# KiCad board Ethernet controller W5500 board_panel.kicad_pcb (continued)
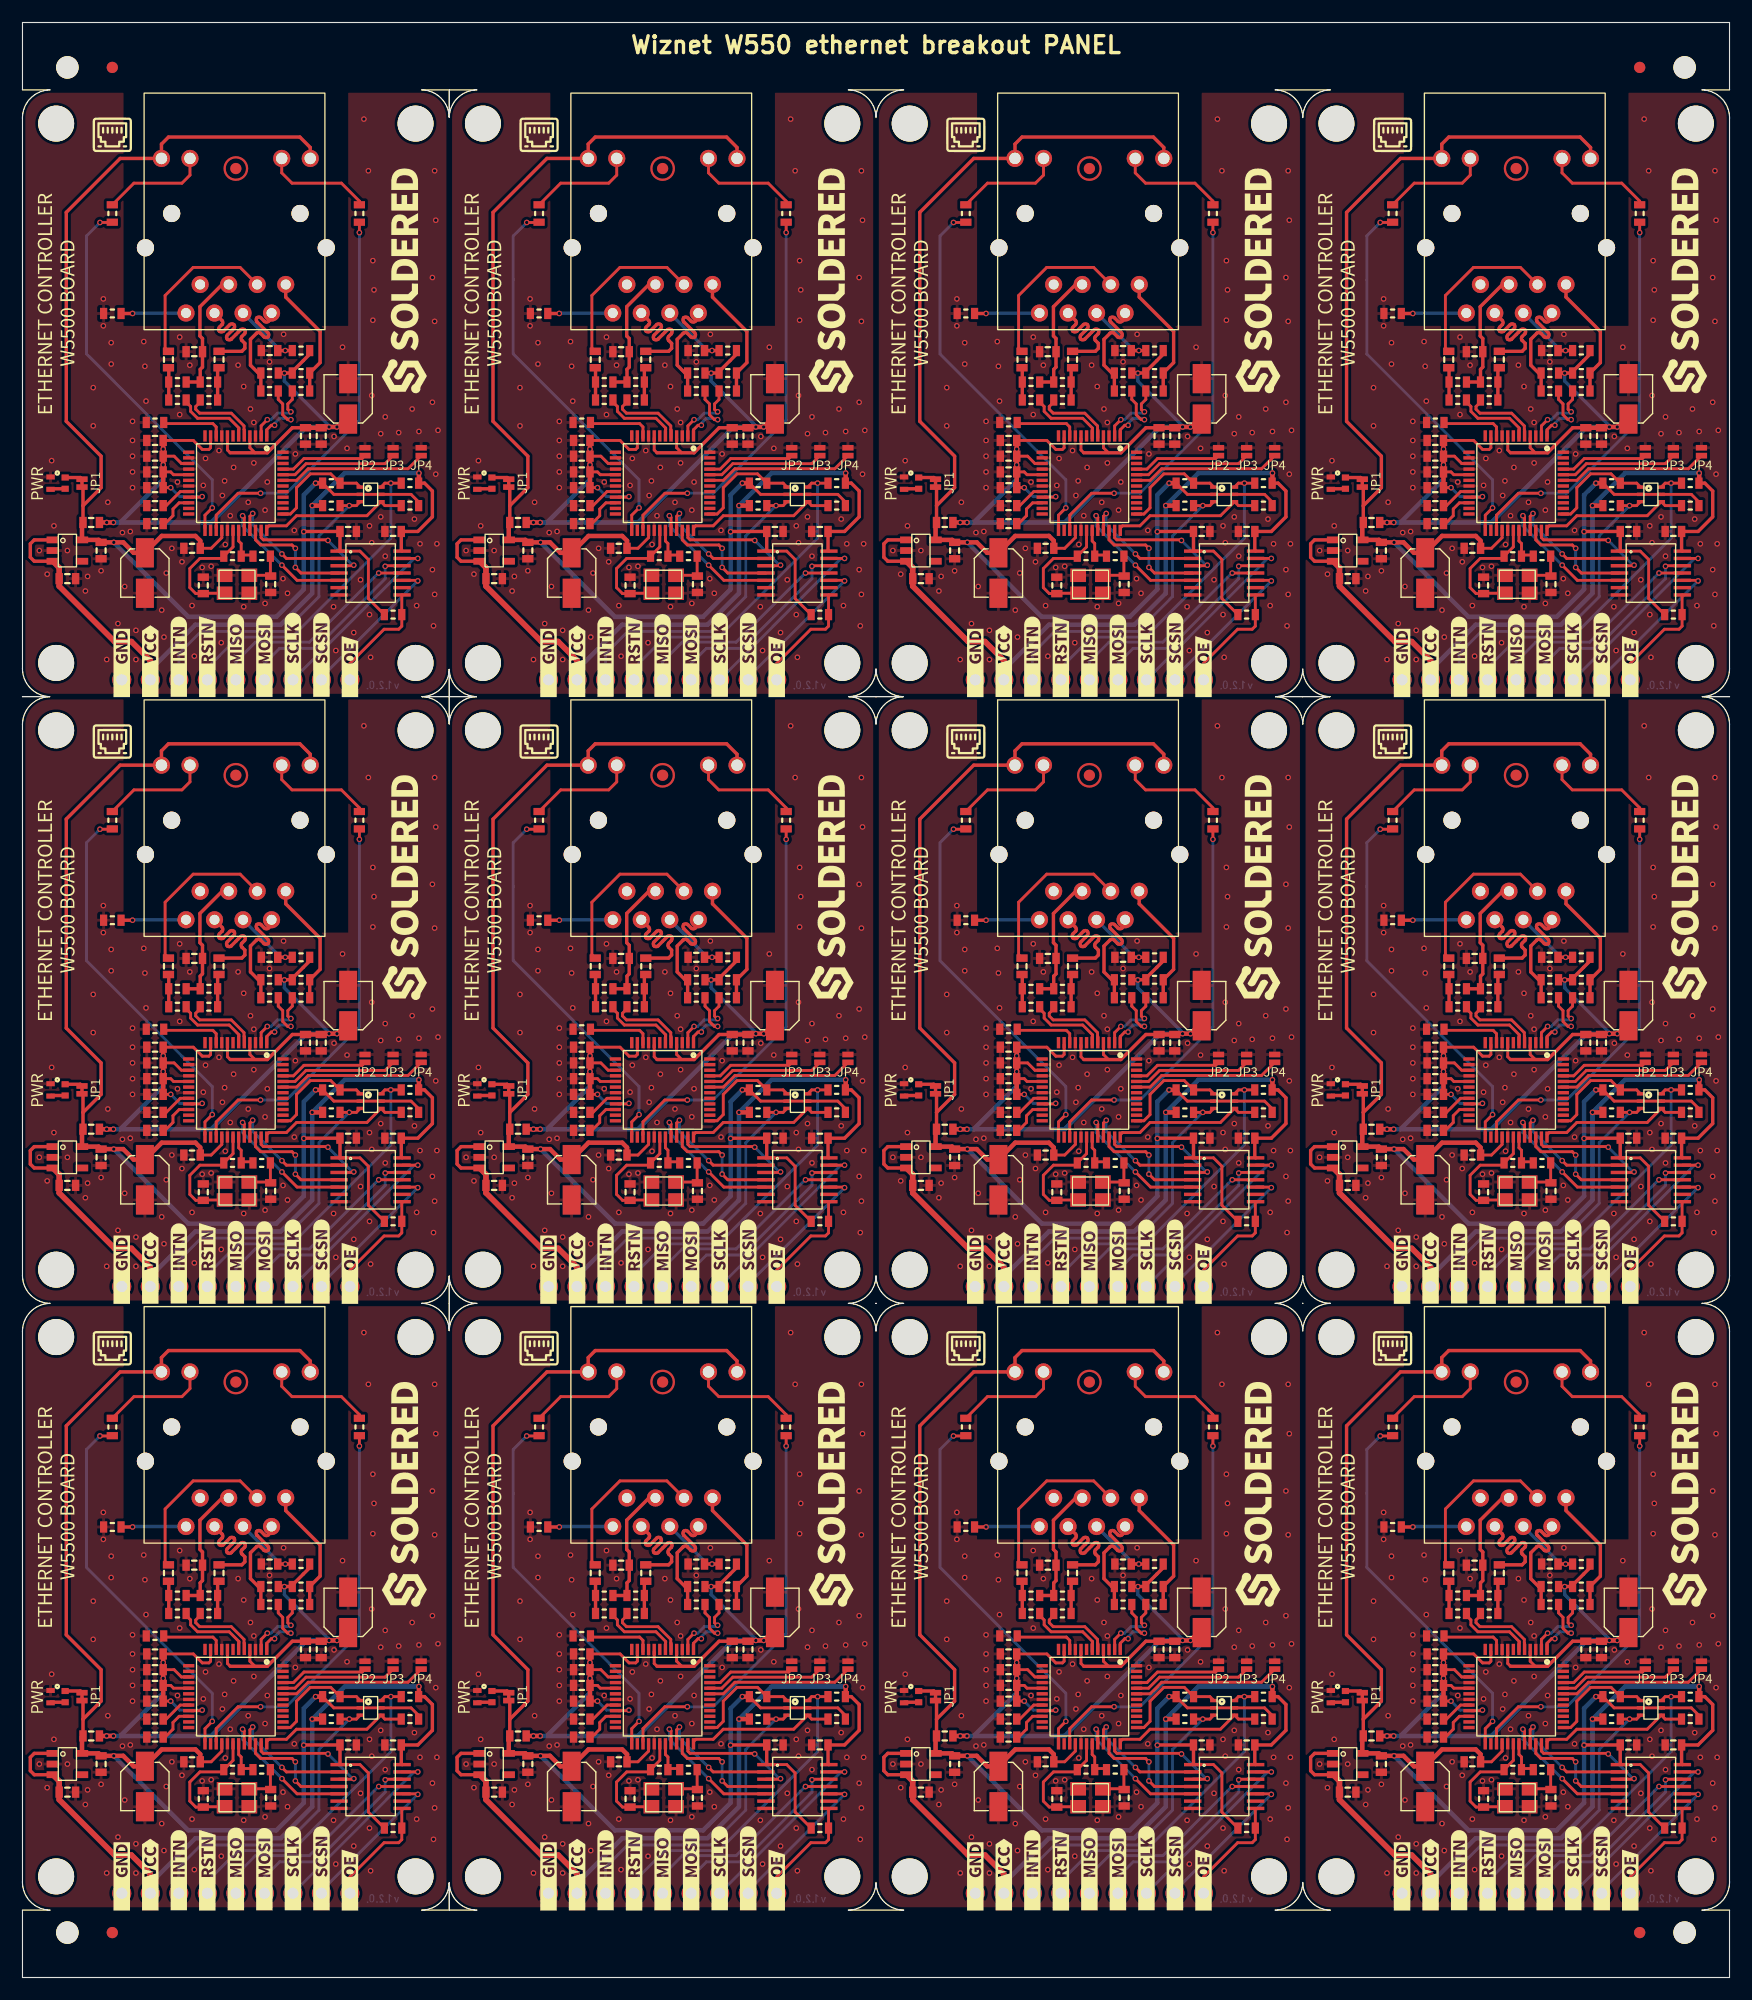
[diagram p0: board, top side]
## Nets
Board_0-3V3: C14#6.2 C15#4.1 C19#11.2 C20#5.2 FB1#3.1 JP1#6.1 K1#5.9 K1#5.12 R17#9.1 R21#12.2 R28.1 U1#11.28 U2.5 U3#7.1 U5#3.2 U5#3.5
Board_0-3V3_A: C1#3.1 C2#11.2 C3#5.2 C4#8.2 C5#12.2 C6#5.2 C8#3.2 FB1#3.2 R6.2 R8#12.2 R10#9.2 U1#11.4 U1#11.8 U1#11.11 U1#11.15 U1#11.17 U1#11.21
Board_0-/RXN: C9#6.1 K1#5.6
Board_0-/RXP: C10#12.1 K1#5.3
Board_0-/TXN: K1#5.2 R1#3.2 R6.1
Board_0-/TXP: K1#5.1 R2#10.2 R8#12.1
Board_0-ACTLED: R12.2 U1#11.27
Board_0-CGND: K1#5.8 R16.2
Board_0-GND: C1#3.2 C2#11.1 C3#5.1 C4#8.1 C5#12.1 C6#5.1 C7#2.1 C8#3.1 C11#4.1 C12#6.1 C13.1 C14#6.1 C15#4.2 C16#2.1 C17#9.1 C18#2.1 C19#11.1 C20#5.1 C21#7.2 D1#9.2 JP2#5.1 JP3#4.1 JP4#8.1 K2#2.1 R5#4.1 R16.1 U1#11.3 U1#11.9 U1#11.14 U1#11.16 U1#11.19 U1#11.29 U1#11.48 U2.2 U3#7.7 X1#8.2 X1#8.4
Board_0-INTn_H: K2#2.3 R22#6.2 U5#3.3
Board_0-INTn_L: R28.2 U1#11.36 U5#3.4
Board_0-LINKLED: R11.2 U1#11.25
Board_0-MISO_H: K2#2.5 U3#7.11
Board_0-MISO_L: U1#11.34 U3#7.4
Board_0-MOSI_H: K2#2.6 U3#7.12
Board_0-MOSI_L: U1#11.35 U3#7.3
Board_0-Net-(C7-Pad2): C7#2.2 K1#5.5 R7#2.1 R9#5.1
Board_0-Net-(C9-Pad2): C9#6.2 R3.2 R9#5.2
Board_0-Net-(C10-Pad2): C10#12.2 R4#3.2 R7#2.2
Board_0-Net-(C11-Pad2): C11#4.2 K1#5.4 R10#9.1
Board_0-Net-(C12-Pad2): C12#6.2 U1#11.20
Board_0-Net-(C13-Pad2): C13.2 U1#11.22
Board_0-Net-(C16-Pad2): C16#2.2 R14#3.1 U1#11.30 X1#8.1
Board_0-Net-(C17-Pad2): C17#9.2 R15#9.1 X1#8.3
Board_0-Net-(D1-Pad1): D1#9.1 R13#11.2
Board_0-Net-(JP1-Pad2): JP1#6.2 R13#11.1
Board_0-Net-(K1-Pad10): K1#5.10 R12.1
Board_0-Net-(K1-Pad11): K1#5.11 R11.1
Board_0-Net-(R5-Pad2): R5#4.2 U1#11.10
Board_0-Net-(R14-Pad2): R14#3.2 R15#9.2 U1#11.31
Board_0-OE: K2#2.9 R17#9.2 U3#7.8
Board_0-PMODE0: JP2#5.2 U1#11.45
Board_0-PMODE1: JP3#4.2 U1#11.44
Board_0-PMODE2: JP4#8.2 U1#11.43
Board_0-RSTn_H: K2#2.4 R27#9.1 U5#3.6
Board_0-RSTn_L: R21#12.1 U1#11.37 U5#3.1
Board_0-RX+: R4#3.1 U1#11.6
Board_0-RX-: R3.1 U1#11.5
Board_0-SCLK_H: K2#2.7 U3#7.13
Board_0-SCLK_L: U1#11.33 U3#7.2
Board_0-SCSn_H: K2#2.8 U3#7.10
Board_0-SCSn_L: U1#11.32 U3#7.5
Board_0-TX+: R2#10.1 U1#11.2
Board_0-TX-: R1#3.1 U1#11.1
Board_0-unconnected-(K1-Pad7): K1#5.7
Board_0-unconnected-(U1-Pad7): U1#11.7
Board_0-unconnected-(U1-Pad12): U1#11.12
Board_0-unconnected-(U1-Pad13): U1#11.13
Board_0-unconnected-(U1-Pad18): U1#11.18
Board_0-unconnected-(U1-Pad23): U1#11.23
Board_0-unconnected-(U1-Pad24): U1#11.24
Board_0-unconnected-(U1-Pad26): U1#11.26
Board_0-unconnected-(U1-Pad38): U1#11.38
Board_0-unconnected-(U1-Pad39): U1#11.39
Board_0-unconnected-(U1-Pad40): U1#11.40
Board_0-unconnected-(U1-Pad41): U1#11.41
Board_0-unconnected-(U1-Pad42): U1#11.42
Board_0-unconnected-(U1-Pad46): U1#11.46
Board_0-unconnected-(U1-Pad47): U1#11.47
Board_0-unconnected-(U2-Pad4): U2.4
Board_0-unconnected-(U3-Pad6): U3#7.6
Board_0-unconnected-(U3-Pad9): U3#7.9
Board_0-VCC: C18#2.2 C21#7.1 K2#2.2 R22#6.1 R27#9.2 U2.1 U2.3 U3#7.14
Board_1-3V3: C14#11.2 C15#11.1 C19#3.2 C20#11.2 FB1#8.1 JP1#7.1 K1#7.9 K1#7.12 R17.1 R21#2.2 R28#3.1 U1#5.28 U2#6.5 U3#8.1 U5#12.2 U5#12.5
Board_1-3V3_A: C1#9.1 C2#8.2 C3#4.2 C4#11.2 C5#4.2 C6.2 C8#9.2 FB1#8.2 R6#11.2 R8#4.2 R10#2.2 U1#5.4 U1#5.8 U1#5.11 U1#5.15 U1#5.17 U1#5.21
Board_1-/RXN: C9#11.1 K1#7.6
Board_1-/RXP: C10.1 K1#7.3
Board_1-/TXN: K1#7.2 R1#7.2 R6#11.1
Board_1-/TXP: K1#7.1 R2#9.2 R8#4.1
Board_1-ACTLED: R12#10.2 U1#5.27
Board_1-CGND: K1#7.8 R16#9.2
Board_1-GND: C1#9.2 C2#8.1 C3#4.1 C4#11.1 C5#4.1 C6.1 C7#11.1 C8#9.1 C11#6.1 C12#2.1 C13#9.1 C14#11.1 C15#11.2 C16#12.1 C17#2.1 C18#8.1 C19#3.1 C20#11.1 C21.2 D1#7.2 JP2#3.1 JP3#12.1 JP4#2.1 K2#10.1 R5#10.1 R16#9.1 U1#5.3 U1#5.9 U1#5.14 U1#5.16 U1#5.19 U1#5.29 U1#5.48 U2#6.2 U3#8.7 X1#4.2 X1#4.4
Board_1-INTn_H: K2#10.3 R22.2 U5#12.3
Board_1-INTn_L: R28#3.2 U1#5.36 U5#12.4
Board_1-LINKLED: R11#2.2 U1#5.25
Board_1-MISO_H: K2#10.5 U3#8.11
Board_1-MISO_L: U1#5.34 U3#8.4
Board_1-MOSI_H: K2#10.6 U3#8.12
Board_1-MOSI_L: U1#5.35 U3#8.3
Board_1-Net-(C7-Pad2): C7#11.2 K1#7.5 R7#10.1 R9#3.1
Board_1-Net-(C9-Pad2): C9#11.2 R3#11.2 R9#3.2
Board_1-Net-(C10-Pad2): C10.2 R4.2 R7#10.2
Board_1-Net-(C11-Pad2): C11#6.2 K1#7.4 R10#2.1
Board_1-Net-(C12-Pad2): C12#2.2 U1#5.20
Board_1-Net-(C13-Pad2): C13#9.2 U1#5.22
Board_1-Net-(C16-Pad2): C16#12.2 R14#12.1 U1#5.30 X1#4.1
Board_1-Net-(C17-Pad2): C17#2.2 R15#6.1 X1#4.3
Board_1-Net-(D1-Pad1): D1#7.1 R13#2.2
Board_1-Net-(JP1-Pad2): JP1#7.2 R13#2.1
Board_1-Net-(K1-Pad10): K1#7.10 R12#10.1
Board_1-Net-(K1-Pad11): K1#7.11 R11#2.1
Board_1-Net-(R5-Pad2): R5#10.2 U1#5.10
Board_1-Net-(R14-Pad2): R14#12.2 R15#6.2 U1#5.31
Board_1-OE: K2#10.9 R17.2 U3#8.8
Board_1-PMODE0: JP2#3.2 U1#5.45
Board_1-PMODE1: JP3#12.2 U1#5.44
Board_1-PMODE2: JP4#2.2 U1#5.43
Board_1-RSTn_H: K2#10.4 R27#5.1 U5#12.6
Board_1-RSTn_L: R21#2.1 U1#5.37 U5#12.1
Board_1-RX+: R4.1 U1#5.6
Board_1-RX-: R3#11.1 U1#5.5
Board_1-SCLK_H: K2#10.7 U3#8.13
Board_1-SCLK_L: U1#5.33 U3#8.2
Board_1-SCSn_H: K2#10.8 U3#8.10
Board_1-SCSn_L: U1#5.32 U3#8.5
Board_1-TX+: R2#9.1 U1#5.2
Board_1-TX-: R1#7.1 U1#5.1
Board_1-unconnected-(K1-Pad7): K1#7.7
Board_1-unconnected-(U1-Pad7): U1#5.7
Board_1-unconnected-(U1-Pad12): U1#5.12
Board_1-unconnected-(U1-Pad13): U1#5.13
Board_1-unconnected-(U1-Pad18): U1#5.18
Board_1-unconnected-(U1-Pad23): U1#5.23
Board_1-unconnected-(U1-Pad24): U1#5.24
Board_1-unconnected-(U1-Pad26): U1#5.26
Board_1-unconnected-(U1-Pad38): U1#5.38
Board_1-unconnected-(U1-Pad39): U1#5.39
Board_1-unconnected-(U1-Pad40): U1#5.40
Board_1-unconnected-(U1-Pad41): U1#5.41
Board_1-unconnected-(U1-Pad42): U1#5.42
Board_1-unconnected-(U1-Pad46): U1#5.46
Board_1-unconnected-(U1-Pad47): U1#5.47
Board_1-unconnected-(U2-Pad4): U2#6.4
Board_1-unconnected-(U3-Pad6): U3#8.6
Board_1-unconnected-(U3-Pad9): U3#8.9
Board_1-VCC: C18#8.2 C21.1 K2#10.2 R22.1 R27#5.2 U2#6.1 U2#6.3 U3#8.14
Board_2-3V3: C14#8.2 C15#5.1 C19.2 C20#9.2 FB1#10.1 JP1.1 K1#11.9 K1#11.12 R17#6.1 R21#3.2 R28#7.1 U1#3.28 U2#10.5 U3#11.1 U5#9.2 U5#9.5
Board_2-3V3_A: C1#11.1 C2#2.2 C3#11.2 C4#10.2 C5#11.2 C6#11.2 C8.2 FB1#10.2 R6#8.2 R8#3.2 R10#6.2 U1#3.4 U1#3.8 U1#3.11 U1#3.15 U1#3.17 U1#3.21
Board_2-/RXN: C9#12.1 K1#11.6
Board_2-/RXP: C10#11.1 K1#11.3
Board_2-/TXN: K1#11.2 R1#6.2 R6#8.1
Board_2-/TXP: K1#11.1 R2.2 R8#3.1
Board_2-ACTLED: R12#12.2 U1#3.27
Board_2-CGND: K1#11.8 R16#4.2
Board_2-GND: C1#11.2 C2#2.1 C3#11.1 C4#10.1 C5#11.1 C6#11.1 C7#3.1 C8.1 C11#9.1 C12#10.1 C13#2.1 C14#8.1 C15#5.2 C16#6.1 C17.1 C18#4.1 C19.1 C20#9.1 C21#5.2 D1#3.2 JP2.1 JP3#7.1 JP4.1 K2#9.1 R5#9.1 R16#4.1 U1#3.3 U1#3.9 U1#3.14 U1#3.16 U1#3.19 U1#3.29 U1#3.48 U2#10.2 U3#11.7 X1#6.2 X1#6.4
Board_2-INTn_H: K2#9.3 R22#8.2 U5#9.3
Board_2-INTn_L: R28#7.2 U1#3.36 U5#9.4
Board_2-LINKLED: R11#7.2 U1#3.25
Board_2-MISO_H: K2#9.5 U3#11.11
Board_2-MISO_L: U1#3.34 U3#11.4
Board_2-MOSI_H: K2#9.6 U3#11.12
Board_2-MOSI_L: U1#3.35 U3#11.3
Board_2-Net-(C7-Pad2): C7#3.2 K1#11.5 R7#8.1 R9#12.1
Board_2-Net-(C9-Pad2): C9#12.2 R3#12.2 R9#12.2
Board_2-Net-(C10-Pad2): C10#11.2 R4#4.2 R7#8.2
Board_2-Net-(C11-Pad2): C11#9.2 K1#11.4 R10#6.1
Board_2-Net-(C12-Pad2): C12#10.2 U1#3.20
Board_2-Net-(C13-Pad2): C13#2.2 U1#3.22
Board_2-Net-(C16-Pad2): C16#6.2 R14.1 U1#3.30 X1#6.1
Board_2-Net-(C17-Pad2): C17.2 R15#8.1 X1#6.3
Board_2-Net-(D1-Pad1): D1#3.1 R13#4.2
Board_2-Net-(JP1-Pad2): JP1.2 R13#4.1
Board_2-Net-(K1-Pad10): K1#11.10 R12#12.1
Board_2-Net-(K1-Pad11): K1#11.11 R11#7.1
Board_2-Net-(R5-Pad2): R5#9.2 U1#3.10
Board_2-Net-(R14-Pad2): R14.2 R15#8.2 U1#3.31
Board_2-OE: K2#9.9 R17#6.2 U3#11.8
Board_2-PMODE0: JP2.2 U1#3.45
Board_2-PMODE1: JP3#7.2 U1#3.44
Board_2-PMODE2: JP4.2 U1#3.43
Board_2-RSTn_H: K2#9.4 R27#7.1 U5#9.6
Board_2-RSTn_L: R21#3.1 U1#3.37 U5#9.1
Board_2-RX+: R4#4.1 U1#3.6
Board_2-RX-: R3#12.1 U1#3.5
Board_2-SCLK_H: K2#9.7 U3#11.13
Board_2-SCLK_L: U1#3.33 U3#11.2
Board_2-SCSn_H: K2#9.8 U3#11.10
Board_2-SCSn_L: U1#3.32 U3#11.5
Board_2-TX+: R2.1 U1#3.2
Board_2-TX-: R1#6.1 U1#3.1
Board_2-unconnected-(K1-Pad7): K1#11.7
Board_2-unconnected-(U1-Pad7): U1#3.7
Board_2-unconnected-(U1-Pad12): U1#3.12
Board_2-unconnected-(U1-Pad13): U1#3.13
Board_2-unconnected-(U1-Pad18): U1#3.18
Board_2-unconnected-(U1-Pad23): U1#3.23
Board_2-unconnected-(U1-Pad24): U1#3.24
Board_2-unconnected-(U1-Pad26): U1#3.26
Board_2-unconnected-(U1-Pad38): U1#3.38
Board_2-unconnected-(U1-Pad39): U1#3.39
Board_2-unconnected-(U1-Pad40): U1#3.40
Board_2-unconnected-(U1-Pad41): U1#3.41
Board_2-unconnected-(U1-Pad42): U1#3.42
Board_2-unconnected-(U1-Pad46): U1#3.46
Board_2-unconnected-(U1-Pad47): U1#3.47
Board_2-unconnected-(U2-Pad4): U2#10.4
Board_2-unconnected-(U3-Pad6): U3#11.6
Board_2-unconnected-(U3-Pad9): U3#11.9
Board_2-VCC: C18#4.2 C21#5.1 K2#9.2 R22#8.1 R27#7.2 U2#10.1 U2#10.3 U3#11.14
Board_3-3V3: C14#10.2 C15#2.1 C19#4.2 C20#7.2 FB1#12.1 JP1#3.1 K1#10.9 K1#10.12 R17#4.1 R21#9.2 R28#6.1 U1#12.28 U2#5.5 U3#5.1 U5#7.2 U5#7.5
Board_3-3V3_A: C1#8.1 C2#10.2 C3#12.2 C4#12.2 C5#7.2 C6#6.2 C8#11.2 FB1#12.2 R6#3.2 R8#6.2 R10.2 U1#12.4 U1#12.8 U1#12.11 U1#12.15 U1#12.17 U1#12.21
Board_3-/RXN: C9.1 K1#10.6
Board_3-/RXP: C10#3.1 K1#10.3
Board_3-/TXN: K1#10.2 R1#2.2 R6#3.1
Board_3-/TXP: K1#10.1 R2#4.2 R8#6.1
Board_3-ACTLED: R12#7.2 U1#12.27
Board_3-CGND: K1#10.8 R16#3.2
Board_3-GND: C1#8.2 C2#10.1 C3#12.1 C4#12.1 C5#7.1 C6#6.1 C7#7.1 C8#11.1 C11#12.1 C12#5.1 C13#10.1 C14#10.1 C15#2.2 C16#7.1 C17#8.1 C18#7.1 C19#4.1 C20#7.1 C21#9.2 D1#11.2 JP2#8.1 JP3#9.1 JP4#10.1 K2#4.1 R5#8.1 R16#3.1 U1#12.3 U1#12.9 U1#12.14 U1#12.16 U1#12.19 U1#12.29 U1#12.48 U2#5.2 U3#5.7 X1#7.2 X1#7.4
Board_3-INTn_H: K2#4.3 R22#10.2 U5#7.3
Board_3-INTn_L: R28#6.2 U1#12.36 U5#7.4
Board_3-LINKLED: R11#6.2 U1#12.25
Board_3-MISO_H: K2#4.5 U3#5.11
Board_3-MISO_L: U1#12.34 U3#5.4
Board_3-MOSI_H: K2#4.6 U3#5.12
Board_3-MOSI_L: U1#12.35 U3#5.3
Board_3-Net-(C7-Pad2): C7#7.2 K1#10.5 R7#11.1 R9#8.1
Board_3-Net-(C9-Pad2): C9.2 R3#9.2 R9#8.2
Board_3-Net-(C10-Pad2): C10#3.2 R4#9.2 R7#11.2
Board_3-Net-(C11-Pad2): C11#12.2 K1#10.4 R10.1
Board_3-Net-(C12-Pad2): C12#5.2 U1#12.20
Board_3-Net-(C13-Pad2): C13#10.2 U1#12.22
Board_3-Net-(C16-Pad2): C16#7.2 R14#8.1 U1#12.30 X1#7.1
Board_3-Net-(C17-Pad2): C17#8.2 R15#3.1 X1#7.3
Board_3-Net-(D1-Pad1): D1#11.1 R13#6.2
Board_3-Net-(JP1-Pad2): JP1#3.2 R13#6.1
Board_3-Net-(K1-Pad10): K1#10.10 R12#7.1
Board_3-Net-(K1-Pad11): K1#10.11 R11#6.1
Board_3-Net-(R5-Pad2): R5#8.2 U1#12.10
Board_3-Net-(R14-Pad2): R14#8.2 R15#3.2 U1#12.31
Board_3-OE: K2#4.9 R17#4.2 U3#5.8
Board_3-PMODE0: JP2#8.2 U1#12.45
Board_3-PMODE1: JP3#9.2 U1#12.44
Board_3-PMODE2: JP4#10.2 U1#12.43
Board_3-RSTn_H: K2#4.4 R27#10.1 U5#7.6
Board_3-RSTn_L: R21#9.1 U1#12.37 U5#7.1
Board_3-RX+: R4#9.1 U1#12.6
Board_3-RX-: R3#9.1 U1#12.5
Board_3-SCLK_H: K2#4.7 U3#5.13
Board_3-SCLK_L: U1#12.33 U3#5.2
Board_3-SCSn_H: K2#4.8 U3#5.10
Board_3-SCSn_L: U1#12.32 U3#5.5
Board_3-TX+: R2#4.1 U1#12.2
Board_3-TX-: R1#2.1 U1#12.1
Board_3-unconnected-(K1-Pad7): K1#10.7
Board_3-unconnected-(U1-Pad7): U1#12.7
Board_3-unconnected-(U1-Pad12): U1#12.12
Board_3-unconnected-(U1-Pad13): U1#12.13
Board_3-unconnected-(U1-Pad18): U1#12.18
Board_3-unconnected-(U1-Pad23): U1#12.23
Board_3-unconnected-(U1-Pad24): U1#12.24
Board_3-unconnected-(U1-Pad26): U1#12.26
Board_3-unconnected-(U1-Pad38): U1#12.38
Board_3-unconnected-(U1-Pad39): U1#12.39
Board_3-unconnected-(U1-Pad40): U1#12.40
Board_3-unconnected-(U1-Pad41): U1#12.41
Board_3-unconnected-(U1-Pad42): U1#12.42
Board_3-unconnected-(U1-Pad46): U1#12.46
Board_3-unconnected-(U1-Pad47): U1#12.47
Board_3-unconnected-(U2-Pad4): U2#5.4
Board_3-unconnected-(U3-Pad6): U3#5.6
Board_3-unconnected-(U3-Pad9): U3#5.9
Board_3-VCC: C18#7.2 C21#9.1 K2#4.2 R22#10.1 R27#10.2 U2#5.1 U2#5.3 U3#5.14
Board_4-3V3: C14#4.2 C15#6.1 C19#5.2 C20.2 FB1#5.1 JP1#8.1 K1.9 K1.12 R17#11.1 R21#5.2 R28#5.1 U1#4.28 U2#11.5 U3#12.1 U5#5.2 U5#5.5
Board_4-3V3_A: C1#5.1 C2#4.2 C3#10.2 C4#4.2 C5#3.2 C6#7.2 C8#7.2 FB1#5.2 R6#5.2 R8#9.2 R10#5.2 U1#4.4 U1#4.8 U1#4.11 U1#4.15 U1#4.17 U1#4.21
Board_4-/RXN: C9#2.1 K1.6
Board_4-/RXP: C10#4.1 K1.3
Board_4-/TXN: K1.2 R1#8.2 R6#5.1
Board_4-/TXP: K1.1 R2#12.2 R8#9.1
Board_4-ACTLED: R12#9.2 U1#4.27
Board_4-CGND: K1.8 R16#7.2
Board_4-GND: C1#5.2 C2#4.1 C3#10.1 C4#4.1 C5#3.1 C6#7.1 C7#4.1 C8#7.1 C11#7.1 C12#7.1 C13#5.1 C14#4.1 C15#6.2 C16#10.1 C17#12.1 C18.1 C19#5.1 C20.1 C21#3.2 D1#2.2 JP2#12.1 JP3#3.1 JP4#9.1 K2#7.1 R5#2.1 R16#7.1 U1#4.3 U1#4.9 U1#4.14 U1#4.16 U1#4.19 U1#4.29 U1#4.48 U2#11.2 U3#12.7 X1#3.2 X1#3.4
Board_4-INTn_H: K2#7.3 R22#11.2 U5#5.3
Board_4-INTn_L: R28#5.2 U1#4.36 U5#5.4
Board_4-LINKLED: R11#3.2 U1#4.25
Board_4-MISO_H: K2#7.5 U3#12.11
Board_4-MISO_L: U1#4.34 U3#12.4
Board_4-MOSI_H: K2#7.6 U3#12.12
Board_4-MOSI_L: U1#4.35 U3#12.3
Board_4-Net-(C7-Pad2): C7#4.2 K1.5 R7#5.1 R9#2.1
Board_4-Net-(C9-Pad2): C9#2.2 R3#10.2 R9#2.2
Board_4-Net-(C10-Pad2): C10#4.2 R4#7.2 R7#5.2
Board_4-Net-(C11-Pad2): C11#7.2 K1.4 R10#5.1
Board_4-Net-(C12-Pad2): C12#7.2 U1#4.20
Board_4-Net-(C13-Pad2): C13#5.2 U1#4.22
Board_4-Net-(C16-Pad2): C16#10.2 R14#2.1 U1#4.30 X1#3.1
Board_4-Net-(C17-Pad2): C17#12.2 R15#12.1 X1#3.3
Board_4-Net-(D1-Pad1): D1#2.1 R13#3.2
Board_4-Net-(JP1-Pad2): JP1#8.2 R13#3.1
Board_4-Net-(K1-Pad10): K1.10 R12#9.1
Board_4-Net-(K1-Pad11): K1.11 R11#3.1
Board_4-Net-(R5-Pad2): R5#2.2 U1#4.10
Board_4-Net-(R14-Pad2): R14#2.2 R15#12.2 U1#4.31
Board_4-OE: K2#7.9 R17#11.2 U3#12.8
Board_4-PMODE0: JP2#12.2 U1#4.45
Board_4-PMODE1: JP3#3.2 U1#4.44
Board_4-PMODE2: JP4#9.2 U1#4.43
Board_4-RSTn_H: K2#7.4 R27#11.1 U5#5.6
Board_4-RSTn_L: R21#5.1 U1#4.37 U5#5.1
Board_4-RX+: R4#7.1 U1#4.6
Board_4-RX-: R3#10.1 U1#4.5
Board_4-SCLK_H: K2#7.7 U3#12.13
Board_4-SCLK_L: U1#4.33 U3#12.2
Board_4-SCSn_H: K2#7.8 U3#12.10
Board_4-SCSn_L: U1#4.32 U3#12.5
Board_4-TX+: R2#12.1 U1#4.2
Board_4-TX-: R1#8.1 U1#4.1
Board_4-unconnected-(K1-Pad7): K1.7
Board_4-unconnected-(U1-Pad7): U1#4.7
Board_4-unconnected-(U1-Pad12): U1#4.12
Board_4-unconnected-(U1-Pad13): U1#4.13
Board_4-unconnected-(U1-Pad18): U1#4.18
Board_4-unconnected-(U1-Pad23): U1#4.23
Board_4-unconnected-(U1-Pad24): U1#4.24
Board_4-unconnected-(U1-Pad26): U1#4.26
Board_4-unconnected-(U1-Pad38): U1#4.38
Board_4-unconnected-(U1-Pad39): U1#4.39
Board_4-unconnected-(U1-Pad40): U1#4.40
Board_4-unconnected-(U1-Pad41): U1#4.41
Board_4-unconnected-(U1-Pad42): U1#4.42
Board_4-unconnected-(U1-Pad46): U1#4.46
Board_4-unconnected-(U1-Pad47): U1#4.47
Board_4-unconnected-(U2-Pad4): U2#11.4
Board_4-unconnected-(U3-Pad6): U3#12.6
Board_4-unconnected-(U3-Pad9): U3#12.9
Board_4-VCC: C18.2 C21#3.1 K2#7.2 R22#11.1 R27#11.2 U2#11.1 U2#11.3 U3#12.14
Board_5-3V3: C14.2 C15#10.1 C19#8.2 C20#8.2 FB1#2.1 JP1#9.1 K1#12.9 K1#12.12 R17#2.1 R21.2 R28#12.1 U1.28 U2#9.5 U3#4.1 U5#2.2 U5#2.5
Board_5-3V3_A: C1#10.1 C2.2 C3#7.2 C4#5.2 C5#8.2 C6#12.2 C8#4.2 FB1#2.2 R6#6.2 R8.2 R10#4.2 U1.4 U1.8 U1.11 U1.15 U1.17 U1.21
Board_5-/RXN: C9#5.1 K1#12.6
Board_5-/RXP: C10#9.1 K1#12.3
Board_5-/TXN: K1#12.2 R1#10.2 R6#6.1
Board_5-/TXP: K1#12.1 R2#6.2 R8.1
Board_5-ACTLED: R12#11.2 U1.27
Board_5-CGND: K1#12.8 R16#10.2
Board_5-GND: C1#10.2 C2.1 C3#7.1 C4#5.1 C5#8.1 C6#12.1 C7#10.1 C8#4.1 C11#3.1 C12#3.1 C13#11.1 C14.1 C15#10.2 C16#3.1 C17#4.1 C18#10.1 C19#8.1 C20#8.1 C21#4.2 D1#5.2 JP2#11.1 JP3#2.1 JP4#5.1 K2#6.1 R5#11.1 R16#10.1 U1.3 U1.9 U1.14 U1.16 U1.19 U1.29 U1.48 U2#9.2 U3#4.7 X1.2 X1.4
Board_5-INTn_H: K2#6.3 R22#7.2 U5#2.3
Board_5-INTn_L: R28#12.2 U1.36 U5#2.4
Board_5-LINKLED: R11#5.2 U1.25
Board_5-MISO_H: K2#6.5 U3#4.11
Board_5-MISO_L: U1.34 U3#4.4
Board_5-MOSI_H: K2#6.6 U3#4.12
Board_5-MOSI_L: U1.35 U3#4.3
Board_5-Net-(C7-Pad2): C7#10.2 K1#12.5 R7#9.1 R9#7.1
Board_5-Net-(C9-Pad2): C9#5.2 R3#2.2 R9#7.2
Board_5-Net-(C10-Pad2): C10#9.2 R4#10.2 R7#9.2
Board_5-Net-(C11-Pad2): C11#3.2 K1#12.4 R10#4.1
Board_5-Net-(C12-Pad2): C12#3.2 U1.20
Board_5-Net-(C13-Pad2): C13#11.2 U1.22
Board_5-Net-(C16-Pad2): C16#3.2 R14#7.1 U1.30 X1.1
Board_5-Net-(C17-Pad2): C17#4.2 R15#4.1 X1.3
Board_5-Net-(D1-Pad1): D1#5.1 R13#9.2
Board_5-Net-(JP1-Pad2): JP1#9.2 R13#9.1
Board_5-Net-(K1-Pad10): K1#12.10 R12#11.1
Board_5-Net-(K1-Pad11): K1#12.11 R11#5.1
Board_5-Net-(R5-Pad2): R5#11.2 U1.10
Board_5-Net-(R14-Pad2): R14#7.2 R15#4.2 U1.31
Board_5-OE: K2#6.9 R17#2.2 U3#4.8
Board_5-PMODE0: JP2#11.2 U1.45
Board_5-PMODE1: JP3#2.2 U1.44
Board_5-PMODE2: JP4#5.2 U1.43
Board_5-RSTn_H: K2#6.4 R27.1 U5#2.6
Board_5-RSTn_L: R21.1 U1.37 U5#2.1
Board_5-RX+: R4#10.1 U1.6
Board_5-RX-: R3#2.1 U1.5
Board_5-SCLK_H: K2#6.7 U3#4.13
Board_5-SCLK_L: U1.33 U3#4.2
Board_5-SCSn_H: K2#6.8 U3#4.10
Board_5-SCSn_L: U1.32 U3#4.5
Board_5-TX+: R2#6.1 U1.2
Board_5-TX-: R1#10.1 U1.1
Board_5-unconnected-(K1-Pad7): K1#12.7
Board_5-unconnected-(U1-Pad7): U1.7
Board_5-unconnected-(U1-Pad12): U1.12
Board_5-unconnected-(U1-Pad13): U1.13
Board_5-unconnected-(U1-Pad18): U1.18
Board_5-unconnected-(U1-Pad23): U1.23
Board_5-unconnected-(U1-Pad24): U1.24
Board_5-unconnected-(U1-Pad26): U1.26
Board_5-unconnected-(U1-Pad38): U1.38
Board_5-unconnected-(U1-Pad39): U1.39
Board_5-unconnected-(U1-Pad40): U1.40
Board_5-unconnected-(U1-Pad41): U1.41
Board_5-unconnected-(U1-Pad42): U1.42
Board_5-unconnected-(U1-Pad46): U1.46
Board_5-unconnected-(U1-Pad47): U1.47
Board_5-unconnected-(U2-Pad4): U2#9.4
Board_5-unconnected-(U3-Pad6): U3#4.6
Board_5-unconnected-(U3-Pad9): U3#4.9
Board_5-VCC: C18#10.2 C21#4.1 K2#6.2 R22#7.1 R27.2 U2#9.1 U2#9.3 U3#4.14
Board_6-3V3: C14#7.2 C15#8.1 C19#9.2 C20#10.2 FB1#11.1 JP1#2.1 K1#6.9 K1#6.12 R17#8.1 R21#6.2 R28#11.1 U1#10.28 U2#12.5 U3#3.1 U5#10.2 U5#10.5
Board_6-3V3_A: C1#4.1 C2#9.2 C3#2.2 C4.2 C5.2 C6#2.2 C8#6.2 FB1#11.2 R6#9.2 R8#5.2 R10#8.2 U1#10.4 U1#10.8 U1#10.11 U1#10.15 U1#10.17 U1#10.21
Board_6-/RXN: C9#10.1 K1#6.6
Board_6-/RXP: C10#10.1 K1#6.3
Board_6-/TXN: K1#6.2 R1#12.2 R6#9.1
Board_6-/TXP: K1#6.1 R2#8.2 R8#5.1
Board_6-ACTLED: R12#4.2 U1#10.27
Board_6-CGND: K1#6.8 R16#8.2
Board_6-GND: C1#4.2 C2#9.1 C3#2.1 C4.1 C5.1 C6#2.1 C7#5.1 C8#6.1 C11#11.1 C12.1 C13#4.1 C14#7.1 C15#8.2 C16#5.1 C17#3.1 C18#3.1 C19#9.1 C20#10.1 C21#11.2 D1#4.2 JP2#9.1 JP3#10.1 JP4#11.1 K2#8.1 R5#12.1 R16#8.1 U1#10.3 U1#10.9 U1#10.14 U1#10.16 U1#10.19 U1#10.29 U1#10.48 U2#12.2 U3#3.7 X1#2.2 X1#2.4
Board_6-INTn_H: K2#8.3 R22#3.2 U5#10.3
Board_6-INTn_L: R28#11.2 U1#10.36 U5#10.4
Board_6-LINKLED: R11#10.2 U1#10.25
Board_6-MISO_H: K2#8.5 U3#3.11
Board_6-MISO_L: U1#10.34 U3#3.4
Board_6-MOSI_H: K2#8.6 U3#3.12
Board_6-MOSI_L: U1#10.35 U3#3.3
Board_6-Net-(C7-Pad2): C7#5.2 K1#6.5 R7#3.1 R9.1
Board_6-Net-(C9-Pad2): C9#10.2 R3#3.2 R9.2
Board_6-Net-(C10-Pad2): C10#10.2 R4#5.2 R7#3.2
Board_6-Net-(C11-Pad2): C11#11.2 K1#6.4 R10#8.1
Board_6-Net-(C12-Pad2): C12.2 U1#10.20
Board_6-Net-(C13-Pad2): C13#4.2 U1#10.22
Board_6-Net-(C16-Pad2): C16#5.2 R14#10.1 U1#10.30 X1#2.1
Board_6-Net-(C17-Pad2): C17#3.2 R15#5.1 X1#2.3
Board_6-Net-(D1-Pad1): D1#4.1 R13#7.2
Board_6-Net-(JP1-Pad2): JP1#2.2 R13#7.1
Board_6-Net-(K1-Pad10): K1#6.10 R12#4.1
Board_6-Net-(K1-Pad11): K1#6.11 R11#10.1
Board_6-Net-(R5-Pad2): R5#12.2 U1#10.10
Board_6-Net-(R14-Pad2): R14#10.2 R15#5.2 U1#10.31
Board_6-OE: K2#8.9 R17#8.2 U3#3.8
Board_6-PMODE0: JP2#9.2 U1#10.45
Board_6-PMODE1: JP3#10.2 U1#10.44
Board_6-PMODE2: JP4#11.2 U1#10.43
Board_6-RSTn_H: K2#8.4 R27#4.1 U5#10.6
Board_6-RSTn_L: R21#6.1 U1#10.37 U5#10.1
Board_6-RX+: R4#5.1 U1#10.6
Board_6-RX-: R3#3.1 U1#10.5
Board_6-SCLK_H: K2#8.7 U3#3.13
Board_6-SCLK_L: U1#10.33 U3#3.2
Board_6-SCSn_H: K2#8.8 U3#3.10
Board_6-SCSn_L: U1#10.32 U3#3.5
Board_6-TX+: R2#8.1 U1#10.2
Board_6-TX-: R1#12.1 U1#10.1
Board_6-unconnected-(K1-Pad7): K1#6.7
Board_6-unconnected-(U1-Pad7): U1#10.7
Board_6-unconnected-(U1-Pad12): U1#10.12
Board_6-unconnected-(U1-Pad13): U1#10.13
Board_6-unconnected-(U1-Pad18): U1#10.18
Board_6-unconnected-(U1-Pad23): U1#10.23
Board_6-unconnected-(U1-Pad24): U1#10.24
Board_6-unconnected-(U1-Pad26): U1#10.26
Board_6-unconnected-(U1-Pad38): U1#10.38
Board_6-unconnected-(U1-Pad39): U1#10.39
Board_6-unconnected-(U1-Pad40): U1#10.40
Board_6-unconnected-(U1-Pad41): U1#10.41
Board_6-unconnected-(U1-Pad42): U1#10.42
Board_6-unconnected-(U1-Pad46): U1#10.46
Board_6-unconnected-(U1-Pad47): U1#10.47
Board_6-unconnected-(U2-Pad4): U2#12.4
Board_6-unconnected-(U3-Pad6): U3#3.6
Board_6-unconnected-(U3-Pad9): U3#3.9
Board_6-VCC: C18#3.2 C21#11.1 K2#8.2 R22#3.1 R27#4.2 U2#12.1 U2#12.3 U3#3.14
Board_7-3V3: C14#3.2 C15#9.1 C19#12.2 C20#3.2 FB1#9.1 JP1#4.1 K1#2.9 K1#2.12 R17#5.1 R21#10.2 R28#9.1 U1#7.28 U2#7.5 U3#9.1 U5#8.2 U5#8.5
Board_7-3V3_A: C1#12.1 C2#7.2 C3#6.2 C4#2.2 C5#5.2 C6#10.2 C8#2.2 FB1#9.2 R6#7.2 R8#7.2 R10#12.2 U1#7.4 U1#7.8 U1#7.11 U1#7.15 U1#7.17 U1#7.21
Board_7-/RXN: C9#4.1 K1#2.6
Board_7-/RXP: C10#2.1 K1#2.3
Board_7-/TXN: K1#2.2 R1#5.2 R6#7.1
Board_7-/TXP: K1#2.1 R2#5.2 R8#7.1
Board_7-ACTLED: R12#8.2 U1#7.27
Board_7-CGND: K1#2.8 R16#2.2
Board_7-GND: C1#12.2 C2#7.1 C3#6.1 C4#2.1 C5#5.1 C6#10.1 C7#8.1 C8#2.1 C11.1 C12#8.1 C13#12.1 C14#3.1 C15#9.2 C16#9.1 C17#11.1 C18#12.1 C19#12.1 C20#3.1 C21#8.2 D1#8.2 JP2#2.1 JP3#11.1 JP4#6.1 K2#5.1 R5#5.1 R16#2.1 U1#7.3 U1#7.9 U1#7.14 U1#7.16 U1#7.19 U1#7.29 U1#7.48 U2#7.2 U3#9.7 X1#9.2 X1#9.4
Board_7-INTn_H: K2#5.3 R22#4.2 U5#8.3
Board_7-INTn_L: R28#9.2 U1#7.36 U5#8.4
Board_7-LINKLED: R11#8.2 U1#7.25
Board_7-MISO_H: K2#5.5 U3#9.11
Board_7-MISO_L: U1#7.34 U3#9.4
Board_7-MOSI_H: K2#5.6 U3#9.12
Board_7-MOSI_L: U1#7.35 U3#9.3
Board_7-Net-(C7-Pad2): C7#8.2 K1#2.5 R7#12.1 R9#10.1
Board_7-Net-(C9-Pad2): C9#4.2 R3#5.2 R9#10.2
Board_7-Net-(C10-Pad2): C10#2.2 R4#12.2 R7#12.2
Board_7-Net-(C11-Pad2): C11.2 K1#2.4 R10#12.1
Board_7-Net-(C12-Pad2): C12#8.2 U1#7.20
Board_7-Net-(C13-Pad2): C13#12.2 U1#7.22
Board_7-Net-(C16-Pad2): C16#9.2 R14#11.1 U1#7.30 X1#9.1
Board_7-Net-(C17-Pad2): C17#11.2 R15#10.1 X1#9.3
Board_7-Net-(D1-Pad1): D1#8.1 R13#5.2
Board_7-Net-(JP1-Pad2): JP1#4.2 R13#5.1
Board_7-Net-(K1-Pad10): K1#2.10 R12#8.1
Board_7-Net-(K1-Pad11): K1#2.11 R11#8.1
Board_7-Net-(R5-Pad2): R5#5.2 U1#7.10
Board_7-Net-(R14-Pad2): R14#11.2 R15#10.2 U1#7.31
Board_7-OE: K2#5.9 R17#5.2 U3#9.8
Board_7-PMODE0: JP2#2.2 U1#7.45
Board_7-PMODE1: JP3#11.2 U1#7.44
Board_7-PMODE2: JP4#6.2 U1#7.43
Board_7-RSTn_H: K2#5.4 R27#2.1 U5#8.6
Board_7-RSTn_L: R21#10.1 U1#7.37 U5#8.1
Board_7-RX+: R4#12.1 U1#7.6
Board_7-RX-: R3#5.1 U1#7.5
Board_7-SCLK_H: K2#5.7 U3#9.13
Board_7-SCLK_L: U1#7.33 U3#9.2
Board_7-SCSn_H: K2#5.8 U3#9.10
Board_7-SCSn_L: U1#7.32 U3#9.5
Board_7-TX+: R2#5.1 U1#7.2
Board_7-TX-: R1#5.1 U1#7.1
Board_7-unconnected-(K1-Pad7): K1#2.7
Board_7-unconnected-(U1-Pad7): U1#7.7
Board_7-unconnected-(U1-Pad12): U1#7.12
Board_7-unconnected-(U1-Pad13): U1#7.13
Board_7-unconnected-(U1-Pad18): U1#7.18
Board_7-unconnected-(U1-Pad23): U1#7.23
Board_7-unconnected-(U1-Pad24): U1#7.24
Board_7-unconnected-(U1-Pad26): U1#7.26
Board_7-unconnected-(U1-Pad38): U1#7.38
Board_7-unconnected-(U1-Pad39): U1#7.39
Board_7-unconnected-(U1-Pad40): U1#7.40
Board_7-unconnected-(U1-Pad41): U1#7.41
Board_7-unconnected-(U1-Pad42): U1#7.42
Board_7-unconnected-(U1-Pad46): U1#7.46
Board_7-unconnected-(U1-Pad47): U1#7.47
Board_7-unconnected-(U2-Pad4): U2#7.4
Board_7-unconnected-(U3-Pad6): U3#9.6
Board_7-unconnected-(U3-Pad9): U3#9.9
Board_7-VCC: C18#12.2 C21#8.1 K2#5.2 R22#4.1 R27#2.2 U2#7.1 U2#7.3 U3#9.14
Board_8-3V3: C14#2.2 C15.1 C19#6.2 C20#12.2 FB1#6.1 JP1#5.1 K1#3.9 K1#3.12 R17#10.1 R21#4.2 R28#8.1 U1#6.28 U2#4.5 U3#10.1 U5#11.2 U5#11.5
Board_8-3V3_A: C1#2.1 C2#5.2 C3#8.2 C4#3.2 C5#9.2 C6#4.2 C8#5.2 FB1#6.2 R6#2.2 R8#2.2 R10#10.2 U1#6.4 U1#6.8 U1#6.11 U1#6.15 U1#6.17 U1#6.21
Board_8-/RXN: C9#7.1 K1#3.6
Board_8-/RXP: C10#7.1 K1#3.3
Board_8-/TXN: K1#3.2 R1#9.2 R6#2.1
Board_8-/TXP: K1#3.1 R2#11.2 R8#2.1
Board_8-ACTLED: R12#5.2 U1#6.27
Board_8-CGND: K1#3.8 R16#5.2
Board_8-GND: C1#2.2 C2#5.1 C3#8.1 C4#3.1 C5#9.1 C6#4.1 C7#6.1 C8#5.1 C11#2.1 C12#12.1 C13#6.1 C14#2.1 C15.2 C16#8.1 C17#5.1 C18#9.1 C19#6.1 C20#12.1 C21#2.2 D1#12.2 JP2#10.1 JP3#5.1 JP4#3.1 K2#12.1 R5#7.1 R16#5.1 U1#6.3 U1#6.9 U1#6.14 U1#6.16 U1#6.19 U1#6.29 U1#6.48 U2#4.2 U3#10.7 X1#5.2 X1#5.4
Board_8-INTn_H: K2#12.3 R22#12.2 U5#11.3
Board_8-INTn_L: R28#8.2 U1#6.36 U5#11.4
Board_8-LINKLED: R11#11.2 U1#6.25
Board_8-MISO_H: K2#12.5 U3#10.11
Board_8-MISO_L: U1#6.34 U3#10.4
Board_8-MOSI_H: K2#12.6 U3#10.12
Board_8-MOSI_L: U1#6.35 U3#10.3
Board_8-Net-(C7-Pad2): C7#6.2 K1#3.5 R7#4.1 R9#4.1
Board_8-Net-(C9-Pad2): C9#7.2 R3#4.2 R9#4.2
Board_8-Net-(C10-Pad2): C10#7.2 R4#11.2 R7#4.2
Board_8-Net-(C11-Pad2): C11#2.2 K1#3.4 R10#10.1
Board_8-Net-(C12-Pad2): C12#12.2 U1#6.20
Board_8-Net-(C13-Pad2): C13#6.2 U1#6.22
Board_8-Net-(C16-Pad2): C16#8.2 R14#6.1 U1#6.30 X1#5.1
Board_8-Net-(C17-Pad2): C17#5.2 R15.1 X1#5.3
Board_8-Net-(D1-Pad1): D1#12.1 R13#10.2
Board_8-Net-(JP1-Pad2): JP1#5.2 R13#10.1
Board_8-Net-(K1-Pad10): K1#3.10 R12#5.1
Board_8-Net-(K1-Pad11): K1#3.11 R11#11.1
Board_8-Net-(R5-Pad2): R5#7.2 U1#6.10
Board_8-Net-(R14-Pad2): R14#6.2 R15.2 U1#6.31
Board_8-OE: K2#12.9 R17#10.2 U3#10.8
Board_8-PMODE0: JP2#10.2 U1#6.45
Board_8-PMODE1: JP3#5.2 U1#6.44
Board_8-PMODE2: JP4#3.2 U1#6.43
Board_8-RSTn_H: K2#12.4 R27#8.1 U5#11.6
Board_8-RSTn_L: R21#4.1 U1#6.37 U5#11.1
Board_8-RX+: R4#11.1 U1#6.6
Board_8-RX-: R3#4.1 U1#6.5
Board_8-SCLK_H: K2#12.7 U3#10.13
Board_8-SCLK_L: U1#6.33 U3#10.2
Board_8-SCSn_H: K2#12.8 U3#10.10
Board_8-SCSn_L: U1#6.32 U3#10.5
Board_8-TX+: R2#11.1 U1#6.2
Board_8-TX-: R1#9.1 U1#6.1
Board_8-unconnected-(K1-Pad7): K1#3.7
Board_8-unconnected-(U1-Pad7): U1#6.7
Board_8-unconnected-(U1-Pad12): U1#6.12
Board_8-unconnected-(U1-Pad13): U1#6.13